# Altium PCB ESP32_Demo.PcbDoc (part 2 of 7)
Units mil, origin at the board's own origin, x right, y up, seen from the top; angles counter-clockwise.
Board outline 940.03 x 1085.03 mil, 4 copper layers (TOP1, GND02, MidLayer3, BOTTOM4); 39 components, 58 nets, 242 pads, 201 vias.
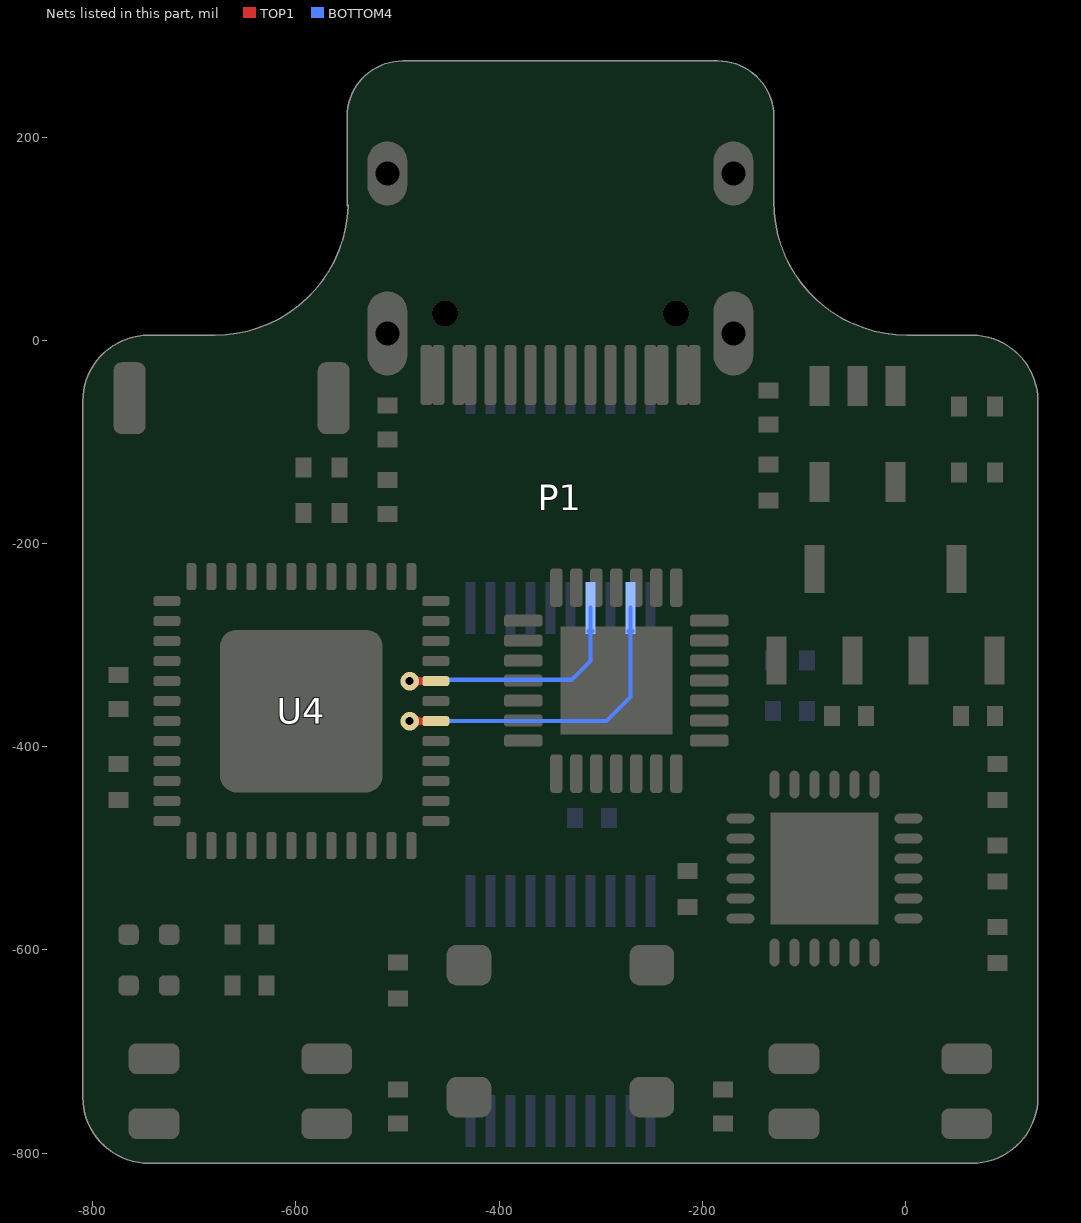
[diagram p4: the nets of this part, all layers, seen from the top]

## Via types
v1: diameter 18, hole 8, TOP1 to BOTTOM4, tented both sides, 201 vias

## Nets (pads, with @x,y where several pads share a name; then routed paths per layer and width w, separated by ;. In a path a pad name is that pad's centre, name@x,y a point inside that pad or via, vN(x,y) a via of type N, cw(c..) or ccw(c..) an arc to the next point about the centre after c; other vN are vias at no path point) (continued)
FLASH_SD2: P1.2 U4.30 | length 533.3
  TOP1 w4: v1(-488.18,-374.84) U4.30@-462.39,-374.84 ; v1@-483.23,-379.79 cw(c-471.28,-391.74) -471.28,-374.84 cw(c-471.28,-357.94) v1@-483.23,-369.89 ; -477.29,-376.45 ccw(c-478.99,-370.09) U4.30@-473.29,-373.38 ; -477.29,-373.23 cw(c-478.99,-379.6) U4.30@-473.29,-376.3 ; U4.30@-472.82,-376.91 ccw(c-477.81,-381.89) -477.81,-374.84 ccw(c-477.81,-367.79) U4.30@-472.82,-372.78 ; -476.64,-375.96 ccw(c-478.07,-370.62) U4.30@-473.29,-373.38 ; -476.64,-375.96 ccw(c-478.07,-370.62) U4.30@-473.29,-373.38 ; -476.64,-375.96 ccw(c-478.07,-370.62) U4.30@-473.29,-373.38 ; -476.64,-375.96 ccw(c-478.07,-370.62) U4.30@-473.29,-373.38 ; -476.64,-375.96 ccw(c-478.07,-370.62) U4.30@-473.29,-373.38 ; -476.64,-375.96 ccw(c-478.07,-370.62) U4.30@-473.29,-373.38 ; -476.64,-375.96 ccw(c-478.07,-370.62) U4.30@-473.29,-373.38 ; -476.64,-375.96 ccw(c-478.07,-370.62) U4.30@-473.29,-373.38 ; -476.64,-375.96 ccw(c-478.07,-370.62) U4.30@-473.29,-373.38 ; -476.64,-373.73 cw(c-478.07,-379.07) U4.30@-473.29,-376.3 ; -476.64,-373.73 cw(c-478.07,-379.07) U4.30@-473.29,-376.3 ; -476.64,-373.73 cw(c-478.07,-379.07) U4.30@-473.29,-376.3 ; -476.64,-373.73 cw(c-478.07,-379.07) U4.30@-473.29,-376.3 ; -476.64,-373.73 cw(c-478.07,-379.07) U4.30@-473.29,-376.3 ; -476.64,-373.73 cw(c-478.07,-379.07) U4.30@-473.29,-376.3 ; -476.64,-373.73 cw(c-478.07,-379.07) U4.30@-473.29,-376.3 ; -476.64,-373.73 cw(c-478.07,-379.07) U4.30@-473.29,-376.3 ; -476.64,-373.73 cw(c-478.07,-379.07) U4.30@-473.29,-376.3
  BOTTOM4 w4: v1(-488.18,-374.84) -294.61,-374.84 -270.87,-351.1 P1.2@-270.87,-263.27 ; P1.2@-272.94,-286 cw(c-277.93,-290.99) -270.87,-290.99 ; P1.2@-272.94,-286 cw(c-277.93,-290.99) -270.87,-290.99 ; P1.2@-272.94,-286 cw(c-277.93,-290.99) -270.87,-290.99 ; P1.2@-272.94,-286 cw(c-277.93,-290.99) -270.87,-290.99 ; P1.2@-272.94,-286 cw(c-277.93,-290.99) -270.87,-290.99 ; P1.2@-272.94,-286 cw(c-277.93,-290.99) -270.87,-290.99 ; -270.87,-290.99 cw(c-263.82,-290.99) P1.2@-268.81,-286 ; -270.87,-290.99 cw(c-263.82,-290.99) P1.2@-268.81,-286 ; -270.87,-290.99 cw(c-263.82,-290.99) P1.2@-268.81,-286 ; -270.87,-290.99 cw(c-263.82,-290.99) P1.2@-268.81,-286 ; -270.87,-290.99 cw(c-263.82,-290.99) P1.2@-268.81,-286 ; -270.87,-290.99 cw(c-263.82,-290.99) P1.2@-268.81,-286
FLASH_SD3: P1.4 U4.32 | length 456.8
  TOP1 w4: v1(-488.18,-335.47) U4.32@-462.39,-335.47 ; v1@-483.23,-340.42 cw(c-471.28,-352.37) -471.28,-335.47 cw(c-471.28,-318.57) v1@-483.23,-330.52 ; -477.29,-337.08 ccw(c-478.99,-330.72) U4.32@-473.29,-334.01 ; -477.29,-333.86 cw(c-478.99,-340.23) U4.32@-473.29,-336.93 ; U4.32@-472.82,-337.54 ccw(c-477.81,-342.52) -477.81,-335.47 ccw(c-477.81,-328.42) U4.32@-472.82,-333.41 ; -476.64,-336.59 ccw(c-478.07,-331.25) U4.32@-473.29,-334.01 ; -476.64,-336.59 ccw(c-478.07,-331.25) U4.32@-473.29,-334.01 ; -476.64,-336.59 ccw(c-478.07,-331.25) U4.32@-473.29,-334.01 ; -476.64,-336.59 ccw(c-478.07,-331.25) U4.32@-473.29,-334.01 ; -476.64,-336.59 ccw(c-478.07,-331.25) U4.32@-473.29,-334.01 ; -476.64,-336.59 ccw(c-478.07,-331.25) U4.32@-473.29,-334.01 ; -476.64,-336.59 ccw(c-478.07,-331.25) U4.32@-473.29,-334.01 ; -476.64,-336.59 ccw(c-478.07,-331.25) U4.32@-473.29,-334.01 ; -476.64,-336.59 ccw(c-478.07,-331.25) U4.32@-473.29,-334.01 ; -476.64,-334.36 cw(c-478.07,-339.7) U4.32@-473.29,-336.93 ; -476.64,-334.36 cw(c-478.07,-339.7) U4.32@-473.29,-336.93 ; -476.64,-334.36 cw(c-478.07,-339.7) U4.32@-473.29,-336.93 ; -476.64,-334.36 cw(c-478.07,-339.7) U4.32@-473.29,-336.93 ; -476.64,-334.36 cw(c-478.07,-339.7) U4.32@-473.29,-336.93 ; -476.64,-334.36 cw(c-478.07,-339.7) U4.32@-473.29,-336.93 ; -476.64,-334.36 cw(c-478.07,-339.7) U4.32@-473.29,-336.93 ; -476.64,-334.36 cw(c-478.07,-339.7) U4.32@-473.29,-336.93 ; -476.64,-334.36 cw(c-478.07,-339.7) U4.32@-473.29,-336.93
  BOTTOM4 w4: v1(-488.18,-335.47) -486.86,-334.15 -328.93,-334.15 -310.24,-315.47 P1.4@-310.24,-263.27 ; P1.4@-312.31,-286 cw(c-317.3,-290.99) -310.24,-290.99 ; P1.4@-312.31,-286 cw(c-317.3,-290.99) -310.24,-290.99 ; P1.4@-312.31,-286 cw(c-317.3,-290.99) -310.24,-290.99 ; P1.4@-312.31,-286 cw(c-317.3,-290.99) -310.24,-290.99 ; P1.4@-312.31,-286 cw(c-317.3,-290.99) -310.24,-290.99 ; P1.4@-312.31,-286 cw(c-317.3,-290.99) -310.24,-290.99 ; -310.24,-290.99 cw(c-303.19,-290.99) P1.4@-308.18,-286 ; -310.24,-290.99 cw(c-303.19,-290.99) P1.4@-308.18,-286 ; -310.24,-290.99 cw(c-303.19,-290.99) P1.4@-308.18,-286 ; -310.24,-290.99 cw(c-303.19,-290.99) P1.4@-308.18,-286 ; -310.24,-290.99 cw(c-303.19,-290.99) P1.4@-308.18,-286 ; -310.24,-290.99 cw(c-303.19,-290.99) P1.4@-308.18,-286